# Altium PCB WaveformGen.PcbDoc (continued)
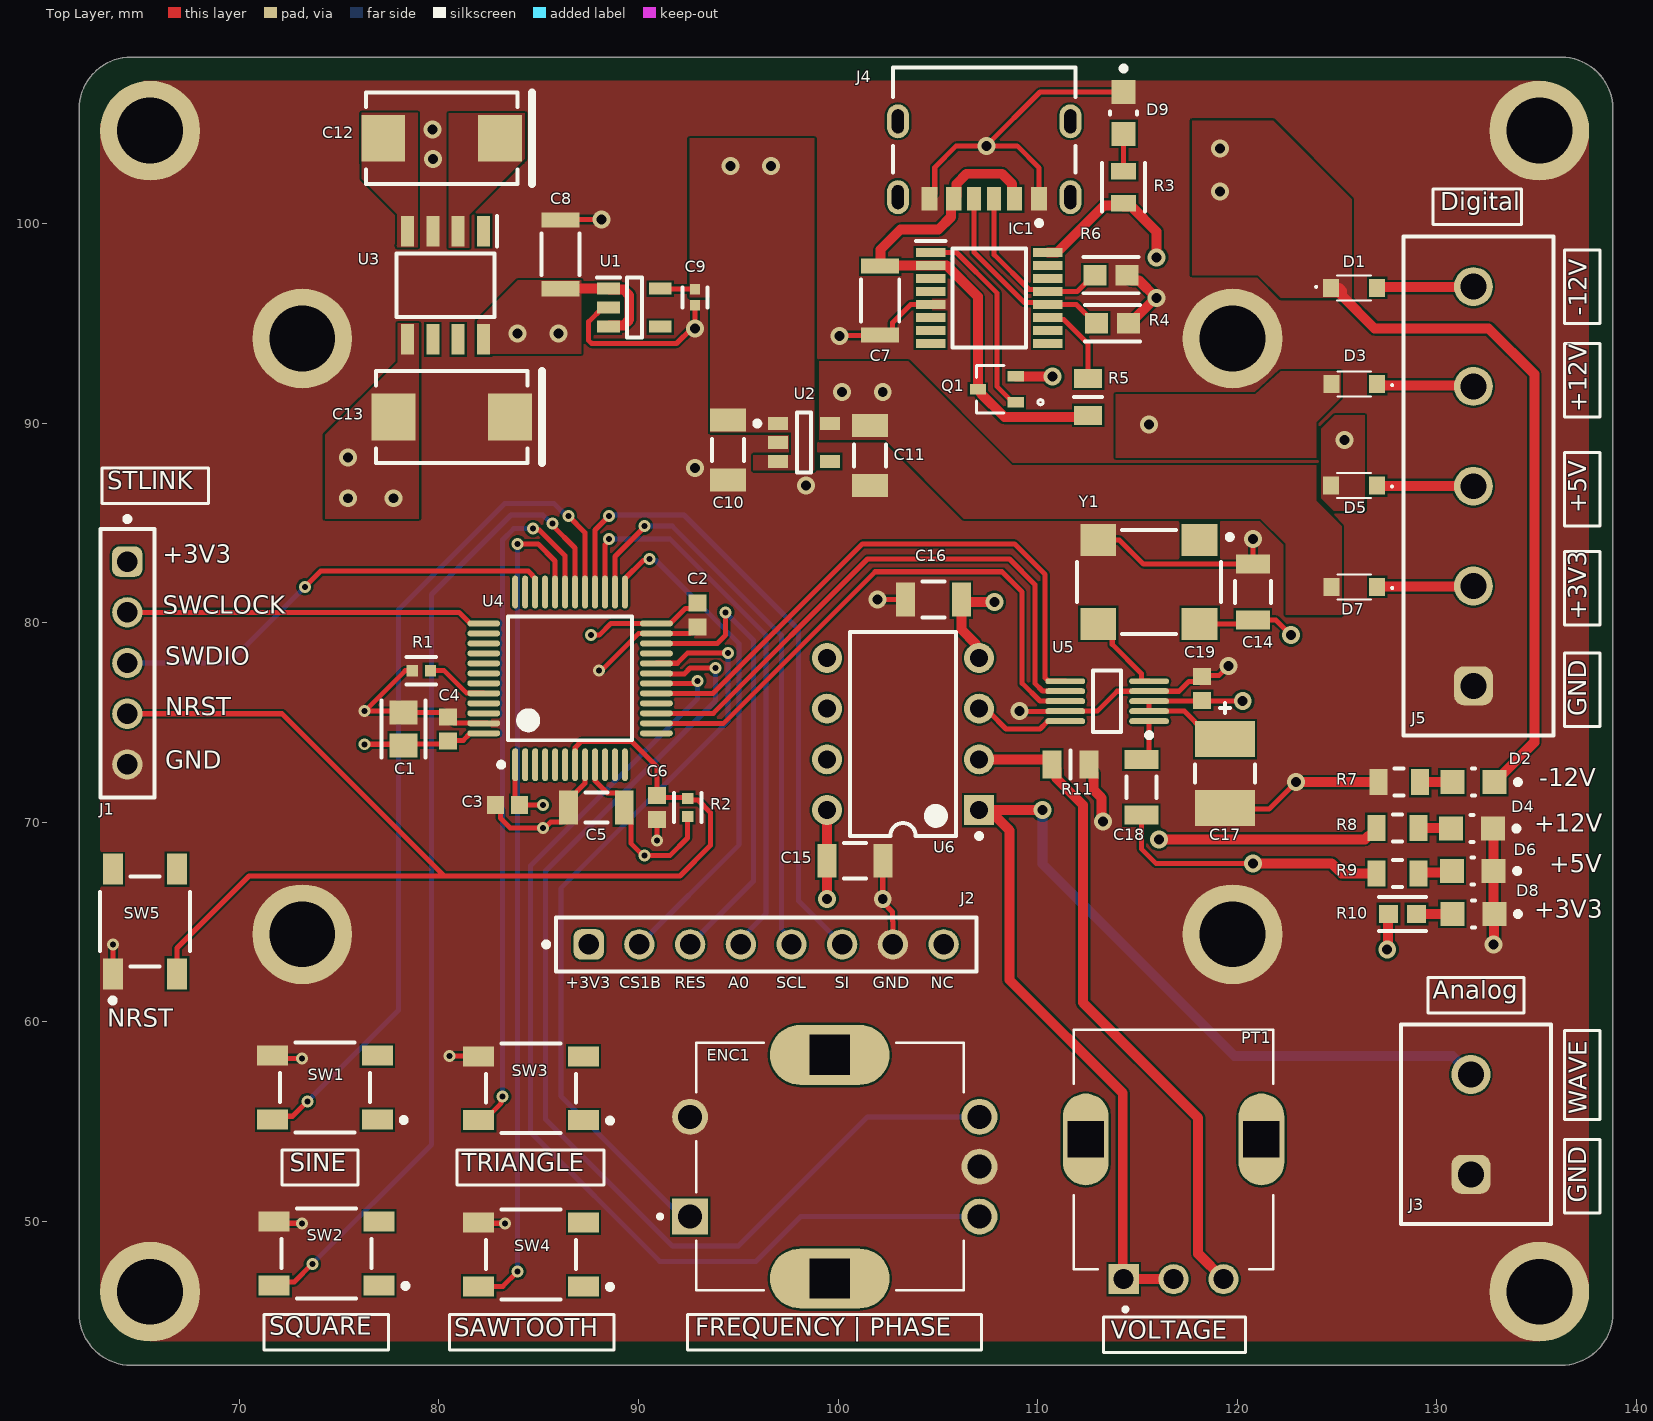
[diagram p0: Top Layer view]
## Footprints (in the part's own frame and the unit in brackets; to place one, negate y for a bottom-side part, rotate by r counter-clockwise, add the part's x,y. Pads: shape width x height; smd on the part's side, far side on the other; paste and mask are expansions set on the pad)
1SS357TPH3F [mm]
  rect 0.9x0.8 smd: 1(0,-1.15) 2(0,1.15)
  silkscreen extent -0.63,-1.95 0.63,0.85, body extent -0.63,-1.25 0.63,1.25, height 0.9
61300511821 [mm] "Socket Header, Pitch 2.54 mm, THT, Vertical, single row, 5p"
  rrect50% 1.52x1.52 hole 1.02: 1(-5.08,0)
  round 1.52 hole 1.02: 2(-2.54,0) 3(0,0) 4(2.54,0) 5(5.08,0)
  silkscreen extent -7.33,-1.35 6.73,1.35, body extent -6.6,-1.25 6.6,1.25, height 8.55
61300811821 [mm] "Socket Header, Pitch 2.54 mm, THT, Vertical, single row, 8p"
  rrect50% 1.52x1.52 hole 1.02: 1(-8.89,0)
  round 1.52 hole 1.02: 2(-6.35,0) 3(-3.81,0) 4(-1.27,0) 5(1.27,0) 6(3.81,0) 7(6.35,0) 8(8.89,0)
  silkscreen extent -11.14,-1.35 10.54,1.35, body extent -10.41,-1.25 10.41,1.25, height 8.55
691137710002 [mm] "Horizontal Cable Entry with Pressure Clamp, pitch 5mm, 02p"
  rrect50% 1.95x1.95 hole 1.3: 1(-2.5,0.25)
  round 1.95 hole 1.3: 2(2.5,0.25)
  silkscreen extent -5,-3.75 5,3.75, body extent -5,-3.75 5,3.75, height 11.6
691137710005 [mm] "Horizontal Cable Entry with Pressure Clamp, pitch 5mm, 05p"
  rrect50% 1.95x1.95 hole 1.3: 1(-10,0.25)
  round 1.95 hole 1.3: 2(-5,0.25) 3(0,0.25) 4(5,0.25) 5(10,0.25)
  silkscreen extent -12.5,-3.75 12.5,3.75, body extent -12.5,-3.75 12.5,3.75, height 11.6
ADI-RM-10_M [mm] "TSSOP, 10-Leads, Body 3x3mm, Pitch 0.5mm, IPC Low Density"
  oval 2x0.3 smd: 1(-2.1,1) 2(-2.1,0.5) 3(-2.1,0) 4(-2.1,-0.5) 5(-2.1,-1) 6(2.1,-1) 7(2.1,-0.5) 8(2.1,0) 9(2.1,0.5) 10(2.1,1)
  silkscreen extent -2.22,-1.55 0.7,1.82, body extent -1.55,-1.55 1.55,1.55, height 1.1
CAPC1206(3216)130_N [mm] "Chip Capacitor, Body 3.2x1.6mm, Height 1.3mm, IPC Medium Density"
  rect 1.15x1.8 smd: 1(-1.5,0) 2(1.5,0)
  silkscreen extent -0.55,-0.8 0.55,0.8, body extent -1.7,-0.9 1.7,0.9, height 1.3
CAPC1206(3216)150_L [mm] "Chip Capacitor, Body 3.2x1.6mm, Height 1.5mm, IPC High Density"
  rect 0.95x1.7 smd: 1(-1.4,0) 2(1.4,0)
  silkscreen extent -0.55,-0.75 0.55,0.75, body extent -1.7,-0.9 1.7,0.9, height 1.5
CAPC1608X87X45LL20T05 [mm] "Chip Capacitor, 2-Leads, Body 1.60x0.80mm, IPC High Density"
  rect 0.85x0.9 smd: 1(-0.6,0) 2(0.6,0)
  body extent -0.9,-0.5 0.9,0.5, height 0.87
FP-293DB-MFG [mm]
  rect 1.8x3 smd paste+0 mask+0: 1(-1.725,0) 2(1.725,0)
  silkscreen extent -0.45,-1.5 3.52,1.5, body extent -2.73,-1.6 2.73,1.6, height 0.25
FP-217175-0001-MFG [mm]
  rrect100% 1.1x1.7 hole 1.2 slot 0.6 at 0 deg paste-2539.97 mask+0: 1(-4.32,2.95) 2(4.32,2.95) 3(-4.32,-0.85) 4(4.32,-0.85)
  rect 0.7x1.2 smd paste+0 mask+0: A5(-0.5,3.03) B5(0.5,3.03)
  rect 0.76x1.2 smd paste+0 mask+0: A9(1.52,3.03) B9(-1.52,3.03)
  rect 0.8x1.2 smd paste+0 mask+0: A12(2.75,3.03) B12(-2.75,3.03)
  silkscreen extent -4.57,-3.55 4.57,4.37, body extent -4.97,-3.65 4.97,3.9, height 0.25
FP-AT0805-IPC_C [mm]
  rect 0.808x1.262 smd paste+0 mask+0: 1(-0.802,0) 2(0.802,0)
  silkscreen extent -1.21,-1.07 1.21,1.07, body extent -1.31,-0.77 1.31,0.77, height 0.25
FP-C0402-BB-MFG [mm]
  rect 0.52x0.52 smd paste+0 mask+0: 1(-0.4,0) 2(0.4,0)
  silkscreen extent -0.5,-0.64 0.5,0.64, body extent -0.8,-0.4 0.8,0.4, height 0.25
FP-C1206C-EB-MFG [mm]
  rect 0.95x1.7 smd paste+0 mask+0: 1(-1.4,0) 2(1.4,0)
  silkscreen extent -0.55,-0.9 0.55,0.9, body extent -2,-1 2,1, height 0.25
FP-CGA5L-0_3-0_1-IPC_B [mm]
  rect 0.756x1.906 smd paste+0 mask+0: 1(-1.725,0) 2(1.725,0)
  silkscreen extent -1.05,-0.95 1.05,0.95, body extent -2.35,-1.2 2.35,1.2, height 0.25
FP-GRM219-0_15-0_1-IPC_B [mm]
  rect 1.206x1.408 smd paste+0 mask+0: 1(-0.826,0) 2(0.826,0)
  silkscreen extent -1.43,-1.1 1.43,1.1, body extent -1.68,-0.95 1.68,0.95, height 0.25
FP-LTST-C170GKT-MFG [mm]
  rect 1.2x1.2 smd paste+0 mask+0: 1(-1.05,0) 2(1.05,0)
  silkscreen extent -2.35,-0.67 0.08,0.67, body extent -1.75,-0.77 1.75,0.77, height 0.25
FP-MCU0805-IPC_B [mm]
  rect 0.959x1.408 smd paste+0 mask+0: 1(-0.927,0) 2(0.927,0)
  silkscreen extent 0,-0.7 0,0.7, body extent -1.66,-0.95 1.66,0.95, height 0.25
FP-PTS647SK38SMTR2LFS-MFG [mm]
  rect 1.55x1 smd paste+0 mask+0: 1(-2.625,1.6) 2(2.625,1.6) 3(-2.625,-1.6) 4(2.625,-1.6)
  silkscreen extent -4.08,-2.25 2.25,2.25, body extent -3.5,-2.35 3.5,2.35, height 0.25
FP-RMCF0805-MFG [mm]
  rect 0.9x1.3 smd paste+0 mask+0: 1(-1.05,0) 2(1.05,0)
  silkscreen extent -0.23,-0.67 0.23,0.67, body extent -1.6,-0.77 1.6,0.77, height 0.25
FP-SOT23-5LD-PL-1-MFG [mm]
  rect 1x0.66 smd paste+0 mask+0: 1(-1.3,0.95) 2(-1.3,0) 3(-1.3,-0.95) 4(1.3,-0.95) 5(1.3,0.95)
  silkscreen extent -2.47,-1.5 0.35,1.5, body extent -1.9,-1.6 1.9,1.6, height 0.25
FP-TFCR0402-IPC_B [mm]
  rect 0.565x0.572 smd paste+0 mask+0: 1(-0.454,0) 2(0.454,0)
  silkscreen extent -0.74,-0.69 0.74,0.69, body extent -0.89,-0.44 0.89,0.44, height 0.25
FP-TFCR0603-IPC_A [mm]
  rect 1.158x1.012 smd paste+0 mask+0: 1(-0.802,0) 2(0.802,0)
  silkscreen extent -1.38,-0.91 1.38,0.91, body extent -1.88,-1.01 1.88,1.01, height 0.25
FP-TFCR0603-IPC_B [mm]
  rect 0.958x0.912 smd paste+0 mask+0: 1(-0.702,0) 2(0.702,0)
  silkscreen extent -1.18,-0.86 1.18,0.86, body extent -1.43,-0.71 1.43,0.71, height 0.25
P0008A [mm] "DIP, 8-Leads, Body 10.15x6.6mm, Pitch 2.54mm"
  rect 1.5x1.5 hole 0.9: 1(-3.81,3.81)
  round 1.5 hole 0.9: 2(-3.81,1.27) 3(-3.81,-1.27) 4(-3.81,-3.81) 5(3.81,-3.81) 6(3.81,-1.27) 7(3.81,1.27) 8(3.81,3.81)
  silkscreen extent -3.94,-5.1 2.65,5.23, body extent -3.95,-5.07 3.95,5.07, height 5.08
SOIC127P600X175-8N [mm]
  rect 1.525x0.65 smd: 1(-2.712,1.905) 2(-2.712,0.635) 3(-2.712,-0.635) 4(-2.712,-1.905) 5(2.712,-1.905) 6(2.712,-0.635) 7(2.712,0.635) 8(2.712,1.905)
  silkscreen extent -3.47,-2.45 1.6,2.58, body extent -3,-2.45 3,2.45, height 1.75
SOP65P640X120-16N [mm]
  rect 1.475x0.45 smd: 1(-2.938,2.275) 2(-2.938,1.625) 3(-2.938,0.975) 4(-2.938,0.325) 5(-2.938,-0.325) 6(-2.938,-0.975) 7(-2.938,-1.625) 8(-2.938,-2.275) 9(2.938,-2.275) 10(2.938,-1.625) 11(2.938,-0.975) 12(2.938,-0.325) 13(2.938,0.325) 14(2.938,0.975) 15(2.938,1.625) 16(2.938,2.275)
  silkscreen extent -3.67,-2.48 1.85,2.85, body extent -3.2,-2.48 3.2,2.48, height 1.2
SOT95P285X140-5N [mm]
  rect 1.15x0.6 smd: 1(-1.3,0.95) 2(-1.3,0) 3(-1.3,-0.95) 4(1.3,-0.95) 5(1.3,0.95)
  silkscreen extent -1.88,-1.5 0.38,1.5, body extent -1.43,-1.5 1.43,1.5, height 1.4
SOT-323F_2-2U1S_UFM_TOS [mil]
  rect 32x20 smd paste+0 mask+0: 1(-37.4,25.59) 2(-37.4,-25.59) 3(37.4,0)
  silkscreen extent -91,-46 41,47, body extent -36,-41 36,41, height 30
STM-LQFP48_M [mm] "QFP, 48-Leads, Body 7x7mm, Pitch 0.5mm, IPC Low Density"
  oval 1.65x0.3 smd: 1(-4.325,2.75) 2(-4.325,2.25) 3(-4.325,1.75) 4(-4.325,1.25) 5(-4.325,0.75) 6(-4.325,0.25) 7(-4.325,-0.25) 8(-4.325,-0.75) 9(-4.325,-1.25) 10(-4.325,-1.75) 11(-4.325,-2.25) 12(-4.325,-2.75) 25(4.325,-2.75) 26(4.325,-2.25) 27(4.325,-1.75) 28(4.325,-1.25) 29(4.325,-0.75) 30(4.325,-0.25) 31(4.325,0.25) 32(4.325,0.75) 33(4.325,1.25) 34(4.325,1.75) 35(4.325,2.25) 36(4.325,2.75)
  oval 0.3x1.65 smd: 13(-2.75,-4.325) 14(-2.25,-4.325) 15(-1.75,-4.325) 16(-1.25,-4.325) 17(-0.75,-4.325) 18(-0.25,-4.325) 19(0.25,-4.325) 20(0.75,-4.325) 21(1.25,-4.325) 22(1.75,-4.325) 23(2.25,-4.325) 24(2.75,-4.325) 37(2.75,4.325) 38(2.25,4.325) 39(1.75,4.325) 40(1.25,4.325) 41(0.75,4.325) 42(0.25,4.325) 43(-0.25,4.325) 44(-0.75,4.325) 45(-1.25,4.325) 46(-1.75,4.325) 47(-2.25,4.325) 48(-2.75,4.325)
  silkscreen extent -4.45,-3.1 3.1,3.57, body extent -3.5,-3.5 3.5,3.5, height 1.6
TRIM_PT01-D130K2-B203 [mm]
  rect 1.508x1.508 / inner round 1.508 / far side rect 1.508x1.508 hole 1: 1(-2.5,-7)
  round 1.508 hole 1: 2(0,-7) 3(2.5,-7)
  oval 2.3x4.6 hole 1.8 square: S1(-4.4,0) S2(4.4,0)
  silkscreen extent -5,-8.61 5,5.5
VISH-293D-E_L [mm] "Molded Capacitor, 2-Leads, Body 7.6x4.6mm, IPC High Density"
  rect 2.2x2.35 smd: 1(-2.925,0) 2(2.925,0)
  silkscreen extent -4.52,-2.3 3.8,2.3, body extent -4.02,-2.3 4.02,2.3, height 4.3
WE-SPXO_CFPS-72 [mm] "Simple Packaged Quartz Oscillator, body 7.2x5.2mm"
  rect 1.8x1.6 smd: 1(-2.54,-2.1) 2(2.54,-2.1) 3(2.54,2.1) 4(-2.54,2.1)
  silkscreen extent -4.18,-2.6 3.6,2.6, body extent -3.6,-2.6 3.6,2.6, height 1.35
XDCR_PEC12R-4225F-S0024 [mm]
  rect 1.8x1.8 / inner round 1.8 / far side rect 1.8x1.8 hole 1.2: 1(-2.5,7)
  round 1.8 hole 1.2: 2(2.5,7) A(-2.5,-7.5) B(2.5,-7.5) C(0,-7.5)
  oval 3x6 hole 2 square: SH1(-5.6,0) SH2(5.6,0)
  silkscreen extent -6.2,-6.7 6.2,8.6, body extent -7,-7.7 7,7.2, height 25

## Part data
C1: library part CMP-06035-028467-1, "Chip Multilayer Ceramic Capacitors for General Purpose, 0805, 4.7uF, X5R, 15%, 20%, 25V"
C2 C3 C4 C6: library part CMP-2006-00001-1, "Ceramic 100nF X7R 16V 5%", Manufacturer=Kemet, Part Number=C0603X104J4RACTU
C5 C18: library part CMP-1037-03452-1, "CAP 10nF 10V ±5% 1206 (3216 Metric) Thickness 1.45mm SMD", Case-EIA=1206, Case-Metric=3216, Rated Voltage="10 V", Tolerance=Â±5%, Max Thickness="1.45 mm", Technology=SMT
C7 C8: library part CMP-08246-000049-1, "Cap Ceramic 1uF 25V X7R 20% Pad SMD 1206 +125°C Automotive T/R", Case Code (Imperial)=1206, Case Code (Metric)=3216, Dielectric=X7R, Max Operating Temperature=125°C, Min Operating Temperature=-55°C, Package Quantity=2000, Ratings=AEC-Q200, Tolerance=20%, Voltage Rating=25V, Capacitance=1uF, Case/Package=1206, Height=1.6mm, Length=0.126inch, Mount="Surface Mount", Packaging="Tape and Reel", Thickness=0.063inch, Voltage Rating (DC)=25V, Weight=0.000571oz, Width=1.6mm
C9: library part CMP-1034-01660-3, "C0402", Capacitance="1,300 pF", Manufacturer=Kemet, Manufacturer Part Number=C0402C132K8GACTU, Package=C0402-BB, Temperature="-55°C to +125°C", Temperature Characteristic=C0G, Temperature Range High=+125°C, Temperature Range Low=-55°C, Tolerance=0.1, Voltage Rating="10 V", Automotive=No, Category=Cap, ComponentLink2Description=Datasheet, ComponentLink2URL=https://content.kemet.com/datasheets/KEM_C1002_X7R_SMD.pdf, Device Class L1="Passive Components", Device Class L2=Capacitors, Device Class L3="Ceramic Capacitors", Height=0.55mm, Ipc Land Pattern Name=CAPC10050X50, Lead Free=Yes, Material=Ceramic, Mouser Description="Cap, 1300PF, 10V, Mlcc, 0402", Octopart=https://octopart.com/c0402c132k8gactu-kemet-56745629, RoHS=TRUE
C10 C11: library part CMP-1037-04671-1, "CAP 1uF 10V ±5% 1206 (3216 Metric) Thickness 1.3mm SMD", Case-EIA=1206, Case-Metric=3216, Rated Voltage="10 V", Tolerance=Â±5%, Max Thickness="1.3 mm", Technology=SMT
C12 C13: library part CMP-2000-05556-1, "Tantalum Capacitor, 10 uF, +/- 10%, 50 V, -55 to 125 degC, 2-Pin SMD (7343-43), RoHS, Tape and Reel", Capacitance=10000000pF, Case Code=E, Case Style=Molded, Manufacturer=Vishay, Operating Temp Range=-55Cto125C, Package / Case=7343-43, Package Description="2-Pin Surface Mount Device, Body 7.3 x 4.3 mm", Package Reference=293D-E, Tolerance (+ or -)=10%, Voltage=50VDC, Construction=SMTChip, Datasheet URL=http://www.vishay.com/docs/40002/293d.pdf, Datasheet Version=08/2016, DCL=5uA, DELETED=Compliant, DF=6%, ESR=0.8ohm, Failure Rate=NotRequired, Insulation=NotRequired, Lead Spacing (nom)=NotRequiredmm, Length W/Weld=NotRequiredmm, Length W/Weld (max)=NotRequiredmm, Manufacturer URL=http://www.vishay.com/, Mounting Style=SurfaceMount, Mounting Technology=SurfaceMount, Packaging=TapeandReel, Polarity=Polar, Product Depth (mm)=4.3mm, Product Diameter (mm)=NotRequiredmm, Product Height (mm)=4mm, Product Length (mm)=7.3mm, Rad Hardened=No, Seal=NotRequired, Seated Plane Height=NotRequiredmm, Wire Form=NotRequired
C14 C15 C16: library part CMP-03020-014955-1, "C1206 0.10 μF C0G 10.00% 25 V X7R", Capacitance="0.10 μF", Manufacturer=KEMET, Manufacturer Part Number=C1206C104K3GACTU, Package=C1206C-EB, Temperature="-55°C to +150°C", Temperature Characteristic=C0G, Temperature Coefficient=15%, Temperature Range High=+150°C, Temperature Range Low=-55°C, Tolerance=0.1, Voltage Rating="25 V", Automotive=Yes, Automotive Grade="Grade 0", Category=Cap, ComponentLink2Description=Datasheet, ComponentLink2URL=https://content.kemet.com/datasheets/KEM_C1007_X8R_ULTRA_150C_SMD.pdf, Device Class L1="Passive Components", Device Class L2=Capacitors, Device Class L3="Ceramic Capacitors", Height=0.88mm, Ipc Land Pattern Name=CAPC320160X78, Lead Free=Yes, Material=Ceramic, Mouser Description="Multilayer Ceramic Capacitors MLCC - SMD/SMT 25volt 0.1uF 10% C0G", Octopart=https://octopart.com/c1206c104k3gactu-kemet-12901041, RoHS=TRUE
C17: library part CMP-02414-000008-1, "CAP TANT 10UF 10% 20V 1411", Capacitance=10uF, Case Code (Imperial)=1411, Case Code (Metric)=3528, Dielectric Material=Tantalum, ESR (Equivalent Series Resistance)=2.1R, Leakage Current=2uA, Max Operating Temperature=125°C, Min Operating Temperature=-55°C, Package Quantity=1, Ripple Current=200mA, Tolerance=10%, Voltage=20V, Case/Package=1411, Construction=Flat, Depth=2.8mm, Dissipation Factor=6%, Features="General Purpose", Height=1.9mm, Height - Seated (Max)=0.083inch, Lead Free="Lead Free", Length=3.5mm, Mount="Surface Mount", Packaging="Tape and Reel", Polarity=Polar, Q Factor=6, Radiation Hardening=No, RoHS Compliant=Yes, Series="TANTAMOUNT® 293D", Termination=SMD/SMT, Voltage Rating=20V, Voltage Rating (DC)=20V, Width=0.11inch
C19: library part CMP-2006-00001-1, "Ceramic 100nF X7R 16V 5% 1206", Manufacturer=Kemet, Part Number=C0603X104J4RACTU
D1 D3 D5 D7: library part CUS10S30,H3F, "Schottky Diode", Manufacturer_Name=Toshiba, Mouser Part Number=757-CUS10S30H3F, Arrow Part Number=CUS10S30,H3F, Arrow Price/Stock=https://www.arrow.com/en/products/cus10s30h3f/toshiba?utm_currency=USD&region=nac, Datasheet Link=http://toshiba.semicon-storage.com/info/docget.jsp?did=14077&prodName=CUS10S30, Height=1mm, Manufacturer_Part_Number=CUS10S30,H3F, Mouser Price/Stock=https://www.mouser.co.uk/ProductDetail/Toshiba/CUS10S30H3F?qs=cW4DzVrAanO4Xm6ySrHr7g%3D%3D
D2 D4 D6 D8 D9: library part CMP-1674-00002-6, "LED GREEN CLEAR SMD", Case Code (Imperial)=0805, Case Code (Metric)=2012, Color=Green, Forward Current=30mA, Forward Voltage=2.1V, Lens Color=Colorless, Max Operating Temperature=85°C, Min Operating Temperature=-55°C, Package Quantity=1, Power Dissipation=100mW, Reverse Voltage=5V, Test Current=10mA, Case/Package=0805, Depth=1.25mm, Dominant Wavelength=569nm, Height=1.1mm, Illumination Color=Green, Lead Free="Lead Free", Length=2mm, Lens Style=Diffused, Lens Transparency=Clear, Luminous Intensity=6mcd, Mount="Surface Mount", Number of Elements=1, Number of LEDs=1, Number of Pins=2, Packaging="Tape and Reel", Power Rating=100mW, Radiation Hardening=No, Viewing Angle=130°, Voltage=5V, Wavelength=565nm, Width=1.25mm
ENC1: "24 Pulse Incremental Mechanical Rotary Encoder w/ 6 mm Flat Shaft,Through Hole", Package=None, Check_prices=https://www.snapeda.com/parts/PEC12R-4225F-S0024/Bourns/view-part/?ref=eda, MF=Bourns, MP=PEC12R-4225F-S0024, SnapEDA_Link=https://www.snapeda.com/parts/PEC12R-4225F-S0024/Bourns/view-part/?ref=snap
IC1: library part IP2721, "Integrated Circuit", Manufacturer_Name=INJOINIC, Datasheet Link=https://datasheet.lcsc.com/szlcsc/2006111335_INJOINIC-IP2721_C603176.pdf, Height=1.2mm, Manufacturer_Part_Number=IP2721
J1: library part CMP-1502-01320-3, Contact Resistance=20mΩ, Current Rating=3A, Operating Supply Voltage=250V, Gender=Female, Lead Pitch=2.54mm, NexarPartId=61924716, Number of Pins=5, Orientation=Vertical, RoHS=Non-Compliant
J2: library part CMP-1502-01327-3, Contact Resistance=20mΩ, Current Rating=3A, Operating Supply Voltage=250V, Gender=Female, Lead Pitch=2.54mm, NexarPartId=61924723, Number of Pins=8, Orientation=Vertical, RoHS=Non-Compliant
J3: library part CMP-1502-03324-2, Current Rating=16A, Max Operating Temperature=120°C, Min Operating Temperature=-30°C, Voltage Rating=300V, Contact Material="Nickel, Tin", Height=11.6mm, Lead Pitch=5mm, NexarPartId=78871135, Number of Contacts=2, Number of Pins=2, Number of Rows=1, Packaging=Box, RoHS=Non-Compliant
J4: library part CMP-04767-000026-1, "CONN RCP USB2.0 C 6+18P SMD RA"
J5: library part CMP-1502-03327-2, Lead Pitch=5mm, NexarPartId=78871141, Number of Pins=5, Packaging=Box, RoHS=Non-Compliant
PT1: Package=None, Availability=Unavailable, MP=PT01-D130K2-B203, Price=None
Q1: library part SSM3K341TU,LF, "N-ch MOSFET, 60 V, 6.0 A, 0.036 Î©@10V, SOT-323F(UFM)", Manufacturer_Name="Toshiba Electronic Devices & Storage Corp.", Copyright="Copyright (C) 2025 Ultra Librarian. All rights reserved.", Datasheet=https://toshiba.semicon-storage.com/info/docget.jsp?did=56016&prodName=SSM3K341TU, Manufacturer_Part_Number=SSM3K341TU,LF
R1 R2: library part CMP-250906-167145-1, "RES Thin Film,  10kΩ, 0.1%, 0.063W, 50ppm/°C, 0402"
R3: library part CMP-03412-048709-1, "Thin Film Chip Resistors Automotive Grade 10kΩ 0.1% 50ppm/°C 0805"
R4 R6: library part CMP-250906-167103-1, "RES Thin Film,  5.1kΩ, 0.25%, 0.1W, 25ppm/°C, 0603"
R5: library part CMP-02407-004057-1, "0805"
R7 R8: library part CMP-26527-002688-1, "6.8kΩ ±5% 0.125W 0805 Thick Film Chip Resistor AEC-Q200 compliant", Case Code (Imperial)=0805, Case Code (Metric)=2012, Max Operating Temperature=155°C, Max Power Dissipation=125mW, Min Operating Temperature=-55°C, Resistance=6.8kR, Resistor Type="Thick Film", Temperature Coefficient=200ppm/°C, Tolerance=5%, Case/Package=0805, Construction=Rectangular, Contact Plating=Tin, Depth=1.25mm, Features="Automotive AEC-Q200", Height=0.026inch, Lead Free="Lead Free", Length=0.079inch, Military Standard=Not, Mount="Surface Mount", Number of Terminations=2, Packaging="Tape and Reel", Power Rating=125mW, Radiation Hardening=No, RoHS Compliant=Yes, Series=RMCF, Size Code=0805, Width=0.049inch
R9: library part CMP-26527-002688-1, "0805 250 Ohms 0.25W", Case Code (Imperial)=0805, Case Code (Metric)=2012, Max Operating Temperature=155°C, Max Power Dissipation=125mW, Min Operating Temperature=-55°C, Resistance=6.8kR, Resistor Type="Thick Film", Temperature Coefficient=200ppm/°C, Tolerance=5%, Case/Package=0805, Construction=Rectangular, Contact Plating=Tin, Depth=1.25mm, Features="Automotive AEC-Q200", Height=0.026inch, Lead Free="Lead Free", Length=0.079inch, Military Standard=Not, Mount="Surface Mount", Number of Terminations=2, Packaging="Tape and Reel", Power Rating=125mW, Radiation Hardening=No, RoHS Compliant=Yes, Series=RMCF, Size Code=0805, Width=0.049inch
R10: library part CMP-250906-226900-1, "RES Thin Film,  620Ω, 0.25%, 0.1W, 25ppm/°C, 0603"
R11: library part CMP-02407-004057-1, "RES 1.05K OHM 0.5% 1/5W 0805"
SW1 SW2 SW3 SW4 SW5: library part CMP-10040-000033-1, "TACT 4.5 X 4.5, 3.8 MM H, 2.5N,", Max Operating Temperature=70°C, Min Operating Temperature=-20°C, Operating Force=250gf, Ratings=IP40, Actuator Type=Standard, Illumination Type=Non-Illuminated, Mechanical Life=100000Cycles, Mount="Surface Mount", Packaging="Tape and Reel", Switch Function=Off-Mom, Switch Travel=0.25mm, Termination="Gull Wing", Throw Configuration=SPST
U1: "Integrated Circuit", Manufacturer_Name="Diodes Incorporated", Mouser Part Number=621-AP2205-50W5-7, Arrow Part Number=AP2205-50W5-7, Arrow Price/Stock=https://www.arrow.com/en/products/ap2205-50w5-7/diodes-incorporated?region=europe, Datasheet Link=https://www.diodes.com//assets/Datasheets/AP2205.pdf, Height=1.4mm, Manufacturer_Part_Number=AP2205-50W5-7, Mouser Price/Stock=https://www.mouser.co.uk/ProductDetail/Diodes-Incorporated/AP2205-50W5-7?qs=EBDBlbfErPynTgfSbFnU%252BQ%3D%3D
U2: library part CMP-06324-000116-1, "IC REG LINEAR 3.3V 150MA SOT23-5", Case/Package=SOT-23-5, Dropout Voltage=155mV, Max Input Voltage=6V, Max Operating Temperature=125°C, Min Current Limit=200mA, Min Input Voltage=2.5V, Min Operating Temperature=-40°C, Output Current=150mA, Output Voltage=3.3V, Package Quantity=3000, Power Supply Rejection Ratio (PSRR)=70dB, Mount="Surface Mount", Number of Outputs=1, Number of Regulators=1, Packaging="Tape and Reel", RoHS Compliant=No, Series=-
U3: "Integrated Circuit", Manufacturer_Name="Analog Devices", Mouser Part Number=700-ICL7662CBAT, Arrow Part Number=ICL7662CBA+T, Arrow Price/Stock=https://www.arrow.com/en/products/icl7662cbat/analog-devices?region=nac, Datasheet Link=https://datasheet.datasheetarchive.com/originals/dk/DKDS-7/135327.pdf, Height=1.75mm, Manufacturer_Part_Number=ICL7662CBA+T, Mouser Price/Stock=https://www.mouser.co.uk/ProductDetail/Analog-Devices-Maxim-Integrated/ICL7662CBA%2bT?qs=Mqkh4jHMT8yEwIZBI%252Brh9g%3D%3D
U4: library part CMP-0304-00064-2, "ARM Cortex-M0 32-bit MCU, 64 KB Flash, 8 KB Internal RAM, 39 I/Os, 48-Pin LQFP, -40 to 85 degC, Tape and Reel", I/Os (High Current)=39, Manufacturer=STMicroelectronics, Operating Frequency(F) (Processor speed) (MHz)=48, Package Description="48-Pin Low Profile Quad Flat Package, Body 7 x 7 mm, Pitch 0.5 mm", Package Reference=LQFP48, PartNumber=STM32F030C8T6TR, Supply Voltage(Vcc) min (V)=2.4, ComponentLink1Description="Manufacturer URL", ComponentLink1URL=http://www.st.com/, ComponentLink2Description=Datasheet, ComponentLink2URL=http://www.st.com/st-web-ui/static/active/en/resource/technical/document/datasheet/DM00088500.pdf, Core="ARM Cortex-M0", DatasheetVersion="Rev. 2", FLASH Size (Prog) (kB)=64, Internal RAM Size (kB)=8, Mounting Technology="Surface Mount", Packing="Tape and Reel"
U5: library part CMP-0293-00077-1, "Low Power, 12.65 mW, 2.3 V to 5.5 V, Programmable Waveform Generator, 10-Bit, Serial, RM-10, 50 Tube, Pb-Free", Code_JEDEC=MO-187-BA, Compliance Range (V)=650mV, ComponentLink1Description="Manufacturer URL", ComponentLink1URL=www.analog.com, ComponentLink2Description=Datasheet, ComponentLink2URL=http://www.analog.com/static/imported-files/data_sheets/AD9833.pdf, ComponentLink3Description="Package Specification", ComponentLink3URL=http://www.analog.com/static/imported-files/packages/PKG_PDF/MSOP%28RM%29/RM_10.pdf, DatasheetVersion="Rev. D", FS Iout (mA nom)=3mA, I Supply total (max)=5.5mA, I/O Interface=Serial, Master fclk=25MHz, PackageDescription="10-Lead Mini Small Outline Package [MSOP]", PackageReference=RM-10, PackageVersion=5/8/2005, REFCLK Multiplier=No, Resolution (Bits)=10bit, Tuning Word Width (bits)=28bit
U6: library part CMP-2000-06549-1, "Dual Operational Amplifier, 3 to 32 V, 0 to 70 degC, 8-Pin PDIP (P), RoHS, Tape and Reel", Manufacturer="Technik Industrial", Package Description="8-Pin Double In-line Package, Body 9.59 x 6.35 mm, Pitch 2.54 mm", Package Reference=P8, Datasheet URL=http://www.ti.com/lit/ds/symlink/lm358.pdf, Datasheet Version="Rev. T, 04/2015", Manufacturer URL=http://www.technik.com.hk/, Mounting Technology=ThroughHole, Package URL=http://www.ti.com/lit/ml/mpdi001b/mpdi001b.pdf
Y1: library part CMP-03913-116855899-1, "831019082 WE-SPXO Crystal Oscillator", Frequency=24MHz, Max Operating Temperature=70°C, Min Operating Temperature=0°C, Height=1.4mm, Length=7mm, NexarPartId=116855899, Width=5mm

## Free pads (board coordinates)
  round 5 hole 3.3: 4(65.532,46.482) 4(65.532,104.648) 4(73.152,64.389) 4(73.152,94.234) 4(119.761,64.389) 4(119.761,94.234) 4(135.128,46.482) 4(135.128,104.648)

## Via types
v1: diameter 0.9, hole 0.5, Top Layer to Bottom Layer, 40 vias
v2: diameter 0.6, hole 0.3, Top Layer to Bottom Layer, 30 vias

## Nets (pads, with @x,y where several pads share a name; then routed paths per layer and width w, separated by ;. In a path a pad name is that pad's centre, name@x,y a point inside that pad or via, vN(x,y) a via of type N, cw(c..) or ccw(c..) an arc to the next point about the centre after c; other vN are vias at no path point)
+3V3: C1.2 C2.2 C3.2 C4.2 C5.2 C11.2 D7.2 J1.1 J2.1 R2.1 R10.2 U2.5 U4.1 U4.9 U4.24 U4.48 | length 26.6
  Top Layer w0.254: v2(76.281,73.908) 78.173,73.908 C1.2 78.296,73.914 80.296,73.914 80.489,74.107 81.219,74.107 81.562,74.45 U4.48@82.403,74.45 ; U4.1 83.82,71.085 C3.2 v2(85.217,70.866) ; v2@87.757,79.375 88.026,79.375 88.61,79.959 U4.24 ; U4.9 87.829,72.875 87.829,72.064 88.431,71.462 88.936,71.462 89.284,71.114 C5.2 89.632,70.391 89.632,68.931 90.237,68.326 91.567,68.326 92.456,69.215 R2.1 ; U4.24@91.062,79.959 91.582,79.959 91.605,79.982 91.621,79.982 92.344,80.705 92.768,80.705 C2.2@92.899,80.836
  Top Layer w0.5: D7.2@124.707,81.738 D7.2 ; v1(127.508,63.627) 127.538,63.657 127.538,65.375 R10.2
  other v1: 100.203,91.567 102.235,91.567
  other v2: 90.297,68.326 87.63,79.375
+5V: C9.1 C10.2 C14.2 C17.2 C18.2 C19.2 D5.2 R9.2 U1.5 U2.1 U2.3 U5.2 U5.3 Y1.4 | length 29.8
  Top Layer w0.254: U1.5 91.11,96.715 92.81,96.715 C9.1 ; C10.2@93.853,90.019 C10.2@93.938,90.104 ; C18.2 115.189,68.673 115.917,67.945 v1(120.777,67.945) ; C19.2@117.983,76.108 117.94,76.065 U5.3 U5.2 117.348,75.565 117.88,75.033 117.88,75.015 118.653,74.242 C17.2@119.253,74.242 ; Y1.4 120.585,79.942 C14.2 121.923,80.134 v1(122.682,79.375) ; C19.2 118.272,76.073 v1(120.269,76.073)
  Top Layer w0.5: v1(120.777,67.945) 124.714,67.945 125.222,67.437 R9.2@126.725,67.437
  other v1: 125.36,89.143 94.615,102.87 96.647,102.87
+12V: C8.1 C15.1 D3.2 IC1.16 Q1.2 R3.2 R8.2 U1.1 U1.3 U3.8 U6.8 | length 31.7
  Top Layer w0.5: C8.1@86.1,96.749 86.107,96.742 88.483,96.742 U1.1 88.539,96.686 89.242,96.686 89.535,96.393 89.535,95.179 89.242,94.886 88.539,94.886 U1.3 ; C15.1@99.438,67.945 C15.1@99.44,67.947 ; C15.1 C15.1@99.44,68.07 ; v1@99.441,66.294 99.44,66.295 C15.1@99.44,67.947 ; U6.8 99.44,70.611 C15.1@99.44,68.07 ; Q1.2 108.904,92.34 110.733,92.34 v1(110.744,92.329) ; IC1.16 110.97,98.541 113.322,100.894 114.264,100.894 114.3,100.858 114.681,100.858 115.951,99.588 v1(115.951,98.298) ; v1(116.066,69.146) 126.389,69.146 126.566,69.323 126.766,69.323 126.966,69.523 R8.2 ; C15.1@99.44,67.947 C15.1@99.44,68.07
  other v1: 99.441,66.167 115.57,89.916 83.947,94.488 85.979,94.488
-12V: C13.2 C16.1 D1.1 D2.1 U3.5 U6.4 | length 37.9
  Top Layer w0.5: U6.4 106.87,78.423 106.87,78.962 106.175,79.657 C16.1 106.302,81.026 v1@107.696,81.026 ; D1.1@125.088,96.774 125.238,96.624 125.238,96.377 126.873,94.742 132.588,94.742 134.874,92.456 134.874,74.007 D2.1
  other v1: 107.823,81.026 75.438,86.233 77.724,86.233 75.438,88.265 119.126,101.6 119.126,103.759
CAP+: C12.1 U3.2
CAP-: C12.2 U3.4
CC1: IC1.13 J4.A5 R6.1 | length 9
  Top Layer w0.254: J4.A5 107.815,98.433 109.559,96.689 110.409,96.689 IC1.13 111.972,96.591 112.79,97.409 R6.1
CC2: IC1.12 J4.B5 R4.1 | length 10.9
  Top Layer w0.254: J4.B5 106.815,98.544 109.32,96.039 110.409,96.039 IC1.12 111.932,95.941 112.877,94.996 R4.1 ; R4.1@112.516,94.617 112.516,94.635 112.837,94.753 112.951,94.867 112.951,94.972 R4.1
ENC_CHA: ENC1.A U4.18 | length 54.3
  Top Layer w0.254: U4.18 92.74,76.959 92.87,77.089 v2(92.964,77.089)
  Bottom Layer w0.254: v2(92.964,77.089) 92.964,76.2 84.582,67.818 84.582,54.483 91.059,48.006 95.885,48.006 98.124,50.245 ENC1.A
ENC_CHB: ENC1.B U4.19 | length 56.3
  Top Layer w0.254: U4.19 91.582,77.459 91.61,77.431 92.29,77.431 92.583,77.724 v2(93.853,77.724)
  Bottom Layer w0.254: v2(93.853,77.724) 93.853,76.073 85.344,67.564 85.344,55.118 91.694,48.768 94.996,48.768 101.473,55.245 ENC1.B
ENC_SW: ENC1.1 U4.20 | length 38.6
  Top Layer w0.254: U4.20 90.904,77.968 91.943,77.968 92.461,78.486 94.467,78.486 v2(94.477,78.475)
  Bottom Layer w0.254: ENC1.1@92.568,49.824 86.106,56.286 86.106,66.692 94.477,75.063 v2(94.477,78.475)
FSYNC: U4.14 U5.8 | length 29
  Top Layer w0.254: U4.14 94.263,74.959 101.854,82.55 108.204,82.55 109.22,81.534 109.22,76.962 110.108,76.074 111.37,76.074 U5.8
GND: C1.1 C2.1 C3.1 C4.1 C5.1 C6.1 C7.2 C8.2 C9.2 C10.1 C11.1 C13.1 C14.1 C15.2 C16.2 C17.1 C19.1 D4.1 D6.1 D8.1 D9.1 ENC1.2 ENC1.C IC1.5 J1.5 J2.7 J3.1 J4.A12 J4.B12 J5.1 pad.4 R1.2 R4.2 R6.2 R7.1 R11.1 SW1.4 SW2.4 SW3.4 SW4.4 SW5.1 U1.2 U2.2 U3.3 U4.8 U4.23 U4.47 U5.4 U5.9 Y1.2 | length 113
  Top Layer w0.254: SW5.1@63.627,62.45 SW5.1 SW5.1 v2(63.679,63.886) ; SW1.4 71.804,58.166 v2(73.152,58.166) ; SW2.4 71.838,49.911 v2(73.152,49.911) ; R1.2 78.313,77.597 v2(76.281,75.565) 78.169,75.565 C1.1 80.212,75.502 80.746,74.968 80.92,74.968 U4.47@82.403,74.968 ; v2(80.518,58.293) 81.976,58.293 SW3.4 ; SW4.4 82.032,49.911 v2(83.312,49.911) ; C3.1 83.084,70.621 83.084,70.205 83.566,69.723 v2(85.217,69.723) 85.311,69.723 85.604,70.016 86.136,70.016 86.484,70.364 C5.1 86.484,71.114 87.32,71.95 U4.8 ; C8.2 86.113,100.19 88.125,100.19 v1(88.138,100.203) ; v2@88.138,77.597 89.991,79.45 90.886,79.45 U4.23 92.607,79.459 92.939,79.791 C2.1 ; U1.2 88.214,95.786 87.503,95.075 87.503,94.129 87.652,93.98 91.9,93.98 92.662,94.742 v1(92.837,94.742) 92.834,94.745 92.834,95.891 C9.2 ; v2(90.932,69.088) C6.1 ; C10.1@94.361,86.892 C10.1@94.625,86.892 ; v1(100.076,94.361) 100.102,94.387 102.082,94.387 C7.2 102.467,94.414 102.718,94.665 102.718,95.024 103.635,95.941 IC1.5 ; v1(101.981,81.153) C16.2 ; C15.2@102.238,67.945 102.235,67.942 102.235,65.992 102.722,65.505 102.722,65.045 102.743,65.024 J2.7 ; J4.A12 104.838,101.51 104.838,102.806 105.918,103.886 v1(107.442,103.886) ; v1@109.249,75.557 U5.9@111.371,75.557 ; J4.B12 110.065,102.787 108.966,103.886 v1(107.442,103.886) ; U5.9 112.983,75.565 113.983,76.565 U5.4 117.078,76.565 117.576,77.063 117.992,77.063 118.272,77.343 119.068,77.343 119.564,77.839 v1(119.567,77.839) ; Y1.2 114.087,84.142 115.298,82.931 120.777,82.931 v1(120.777,84.201) ; D9.1 110.116,106.587 107.442,103.913 v1(107.442,103.886) ; C17.1 119.433,70.665 121.592,70.665 v1(122.936,72.009)
  Top Layer w0.5: R11.1 112.56,72.673 112.789,72.444 112.789,71.632 113.197,71.224 113.197,70.116 v1(113.274,70.039) ; R6.2 114.723,97.153 115.064,97.153 v1(115.951,96.266) 115.897,96.266 114.627,94.996 R4.2 ; v1(122.936,72.009) R7.1 ; D4.1 132.838,69.645 132.838,65.443 D8.1 132.859,65.388 132.859,63.898 v1(132.842,63.881)
  other v1: 102.235,66.167 109.093,75.565 98.389,86.874 92.837,87.757 79.697,103.222 79.675,104.699
  other v2: 88.011,77.597
Inverting: PT1.3 R11.2 U6.2 | length 32.8
  Top Layer w0.5: U6.2@107.569,73.152 110.477,73.152 110.706,72.923 R11.2 ; R11.2@110.706,72.673 R11.2 ; PT1.3@119.3,47.117 118.037,48.38 118.037,55.191 112.268,60.96 112.268,70.866 110.936,72.198 110.936,72.669 R11.2
LCD_A0: J2.4 U4.27 | length 28.6
  Top Layer w0.254: U4.27 88.32,83.908 88.519,84.107 v2(88.519,84.201)
  Bottom Layer w0.254: v2(88.519,84.201) 91.567,84.201 96.393,79.375 96.393,65.425 95.123,64.155 J2.4
LCD_CS1B: J2.2 U4.25 | length 25.7
  Top Layer w0.254: U4.25 89.32,82.209 90.23,83.119 90.485,83.119 v2(90.551,83.185)
  Bottom Layer w0.254: J2.2 95.042,68.88 95.042,78.948 90.871,83.119 90.617,83.119 v2(90.551,83.185)
LCD_RES: J2.3 U4.22 | length 23.3
  Top Layer w0.254: U4.22 93.945,78.959 94.361,79.375 v2(94.361,80.518)
  Bottom Layer w0.254: J2.3 95.758,67.056 95.758,79.121 v2(94.361,80.518)
LCD_SCL: J2.5 U4.26 | length 28.7
  Top Layer w0.254: U4.26 88.82,83.318 90.297,84.795 v2(90.297,84.836)
  Bottom Layer w0.254: v2(90.297,84.836) 91.694,84.836 97.155,79.375 97.155,64.663 97.663,64.155 J2.5
LCD_SI: J2.6 U4.28 | length 32.7
  Top Layer w0.254: U4.28 87.82,84.645 v2(88.519,85.344)
  Bottom Layer w0.254: v2(88.519,85.344) 88.565,85.39 92.283,85.39 98.019,79.654 98.019,66.065 J2.6
MCLK: U5.5 Y1.3 | length 4.3
  Top Layer w0.254: Y1.3@112.903,79.959 113.041,79.959 113.731,79.269 113.731,78.913 115.197,77.447 115.197,77.086 115.218,77.065 U5.5
NetC18_1: C18.1 U5.1 | length 2.1
  Top Layer w0.254: C18.1 115.222,73.155 115.57,73.503 115.57,75.056 U5.1
NetD1_2: D1.2 J5.5 | length 4.6
  Top Layer w0.5: D1.2@127.261,96.774 127.292,96.805 131.795,96.805 J5.5
NetD2_2: D2.2 R7.2 | length 1.6
  Top Layer w0.5: R7.2 D2.2
NetD3_1: D3.1 J5.4 | length 4.6
  Top Layer w0.5: D3.1@127.261,91.948 127.317,91.892 131.77,91.892 J5.4
NetD4_2: D4.2 R8.1 | length 1.7
  Top Layer w0.5: R8.1 129.086,69.703 130.681,69.703 D4.2
NetD5_1: D5.1 J5.3 | length 4.6
  Top Layer w0.5: D5.1@127.254,86.868 127.27,86.852 131.81,86.852 J5.3
NetD6_2: D6.2 R9.1 | length 1.6
  Top Layer w0.5: R9.1@129.232,67.437 129.232,67.441 129.264,67.473 130.651,67.473 D6.2
NetD7_1: D7.1 J5.2 | length 4.7
  Top Layer w0.5: D7.1@127.134,81.788 127.158,81.812 131.802,81.812 J5.2
NetD8_2: D8.2 R10.1 | length 1.8
  Top Layer w0.5: R10.1 D8.2
NetD9_2: D9.2 R3.1 | length 1.9
  Top Layer w0.254: R3.1 D9.2
NetR1_1: R1.1 U4.44 | length 3.2
  Top Layer w0.254: R1.1@79.502,77.597 R1.1 80.26,77.597 81.39,76.468 82.236,76.468 U4.44
SCLK: U4.15 U5.7 | length 29.3
  Top Layer w0.254: U4.15 93.747,75.459 101.473,83.185 108.585,83.185 109.855,81.915 109.855,76.962 110.243,76.574 111.37,76.574 U5.7
SDATA: U4.17 U5.6 | length 29.5
  Top Layer w0.254: U4.17 93.731,76.459 101.219,83.947 108.839,83.947 110.363,82.423 110.363,77.237 110.535,77.065 U5.6
SEL: IC1.11 R5.1 | length 4.3
  Top Layer w0.254: IC1.11 110.605,95.193 111.305,95.193 112.522,93.976 R5.1
STL_NRST: C6.2 J1.4 R2.2 SW5.3 U4.7 | length 61.1
  Top Layer w0.254: J1.4 72.136,75.438 80.264,67.31 ; SW5.3 66.878,63.703 70.485,67.31 80.264,67.31 ; U4.7@86.829,72.896 86.829,73.748 87.122,74.041 89.662,74.041 90.932,72.771 C6.2 91.024,71.247 R2.2@92.456,71.247 ; R2.2 92.538,71.11 92.974,71.11 93.599,70.485 93.599,68.834 92.075,67.31 80.264,67.31
STL_SWCLOCK: J1.2 U4.37 | length 18.1
  Top Layer w0.254: J1.2 81.011,80.518 81.57,79.959 U4.37
STL_SWDIO: J1.3 U4.34 | length 23.2
  Top Layer w0.254: v2(73.279,81.788) 74.079,82.588 84.477,82.588 84.699,82.366 84.699,82.363 84.699,82.343 84.82,82.221 U4.34
  Bottom Layer w0.254: J1.3 69.469,77.978 v2(73.279,81.788)
SW1: SW1.2 U4.29 | length 43.8
  Top Layer w0.254: SW1.2 71.827,55.271 72.67,55.271 v2(73.406,56.007) ; v2(86.487,85.344) 87.32,84.511 U4.29
  Bottom Layer w0.254: v2(73.406,56.007) 77.978,60.579 77.978,80.645 83.312,85.979 85.758,85.979 86.393,85.344 v2(86.487,85.344)
SW2: SW2.2 U4.30 | length 50.1
  Top Layer w0.254: SW2.2 71.921,46.974 72.755,46.974 v2(73.66,47.879) ; v2(85.678,84.963) 85.678,84.883 86.82,83.741 U4.30
  Bottom Layer w0.254: v2(73.66,47.879) 79.629,53.848 79.629,81.407 83.612,85.39 85.204,85.39 85.631,84.963 v2(85.678,84.963)
SW3: SW3.2 U4.31 | length 35.5
  Top Layer w0.254: SW3.2 82.268,55.076 83.119,55.926 83.119,56.195 v2(83.185,56.261) ; v2(84.709,84.709) 84.775,84.643 85.029,84.643 86.32,83.352 U4.31
  Bottom Layer w0.254: v2(83.185,56.261) 83.185,84.146 83.748,84.709 v2(84.709,84.709)
SW4: SW4.2 U4.32 | length 42.5
  Top Layer w0.254: SW4.2 83.199,46.75 v2(83.947,47.498) ; v2(83.947,83.947) 84.963,83.947 85.82,83.09 U4.32
  Bottom Layer w0.254: v2(83.947,47.498) v2(83.947,83.947)
VBUS_G: IC1.1 Q1.1 | length 10.1
  Top Layer w0.254: IC1.1 105.929,98.541 107.968,96.502 107.968,91.824 108.748,91.044 Q1.1
VBUS_IN: C7.1 IC1.2 J4.A9 J4.B9 Q1.3 R5.2 | length 27
  Top Layer w0.5: C7.1 102.128,97.884 102.128,98.699 103.124,99.695 105.029,99.695 105.665,100.331 105.665,101.107 J4.A9 105.925,101.367 105.925,101.98 106.434,102.489 108.204,102.489 108.705,101.988 108.705,101.367 J4.B9 J4.B9@108.965,101.367 ; C7.1@102.135,97.891 IC1.2 105.441,97.891 107,96.332 Q1.3 107.152,91.694 107.156,91.69 107.156,91.472 108.331,90.297 R5.2@112.179,90.297
VOUT_A: U5.10 U6.3 | length 4.3
  Top Layer w0.254: U6.3@107.569,75.521 108.414,74.676 110.109,74.676 110.475,75.042 110.494,75.042 110.517,75.065 U5.10
WAVEFORM: J3.2 PT1.1 PT1.2 U6.1 | length 60
  Top Layer w0.5: v1(110.236,70.612) 107.569,70.612 108.585,69.596 108.585,62.103 114.258,56.43 PT1.1@114.258,47.117 ; PT1.1@114.3,47.117 PT1.2@116.8,47.117
  Bottom Layer w0.5: v1(110.236,70.612) 110.236,67.909 119.852,58.293 130.774,58.293 J3.2
pads on no net: ENC1.SH1 ENC1.SH2 IC1.3 IC1.4 IC1.6 IC1.7 IC1.8 IC1.9 IC1.10 IC1.14 IC1.15 J2.8 J4.1 J4.2 J4.3 J4.4 PT1.S1 PT1.S2 SW1.1 SW1.3 SW2.1 SW2.3 SW3.1 SW3.3 SW4.1 SW4.3 SW5.2 SW5.4 U1.4 U2.4 U3.1 U3.6 U3.7 U4.2 U4.3 U4.4 U4.5 U4.6 U4.10 U4.11 U4.12 U4.13 U4.16 U4.21 U4.33 U4.35 U4.36 U4.38 U4.39 U4.40 U4.41 U4.42 U4.43 U4.45 U4.46 U6.5 U6.6 U6.7 Y1.1

## Polygon pours and split planes (outlines as drawn)
GND on Top Layer "GND_L01_P037" (solid, pour order 37): 63.025,46.494 63.107,46.494 65.595,44 135.116,44 137.598,46.482 137.598,104.787 137.529,104.787 135.171,107.145 65.21,107.145 63.025,104.96
+5V on Top Layer "+5V_L01_P001" (solid, pour order 1): 93.599,96.294 92.556,96.294 92.556,104.267 98.806,104.267 98.806,87.63 95.758,87.63 95.758,88.392 97.663,88.392 97.663,89.535 93.599,89.535 93.599,90.805
+12V on Top Layer "+15V_L01_P039" (solid, pour order 39): 87.122,93.472 81.915,93.472 81.915,95.123 83.947,97.155 87.122,97.155 87.122,96.901
-12V on Top Layer "-15V_L01_P030" (solid, pour order 30): 122.174,96.266 121.031,97.409 117.729,97.409 117.729,105.156 121.793,105.156 125.73,101.219 125.73,98.171 125.73,96.266
+5V on Top Layer "+5V_L01_P033" (solid, pour order 33): 124.206,86.233 124.841,85.598 126.365,85.598 126.365,86.297 126.375,86.307 126.375,90.387 124.877,90.387 124.206,89.716
+3V3 on Top Layer "+3V3_L01_P009" (solid, pour order 9): 123.952,87.884 123.952,86.106 125.222,84.836 125.222,80.391 122.428,80.391 122.428,83.947 121.158,85.217 106.299,85.217 102.362,89.154 99.06,89.154 99.06,93.091 103.505,93.091 108.712,87.884
+12V on Top Layer "+15V_L01_P032" (solid, pour order 32): 122.174,88.265 123.952,88.265 123.952,90.043 125.17,91.261 125.17,92.583 122.174,92.583 120.904,91.44 113.919,91.44 113.919,88.265
GND on Top Layer "GND_L01_P026" (solid, pour order 26): 79.121,98.806 80.264,98.806 80.264,105.537 79.121,105.537
-12V on Top Layer "-15V_L01_P021" (solid, pour order 21): 77.944,94.996 78.994,94.996 78.994,85.217 74.295,85.217 74.295,89.408 77.944,93.057
GND on Top Layer "GND_L01_P010" (solid, pour order 10): 86.784,89.365 84.709,91.44 80.518,91.44 80.518,86.233 103.124,86.233 103.124,87.436 95.504,87.436 95.504,88.646 97.536,88.646 97.536,89.365
CAP+ on Top Layer "CAP+_L01_P011" (solid, pour order 11): 80.5,105.517 84.31,105.517 84.31,103.231 81.516,100.437 81.516,98.786 80.5,98.786
CAP- on Top Layer "CAP-_L01_P012" (solid, pour order 12): 76.136,105.537 77.512,105.537 78.93,105.537 78.93,98.806 77.787,98.806 77.915,98.933 77.915,100.457 76.136,102.235
+3V3 on Mid Layer 2 "+3V3_L03_P023" (solid, pour order 23): 130.81,44.028 130.81,47.752 133.477,50.419 137.646,50.419 137.646,66.421 124.079,66.421 121.793,64.135 96.012,64.135 96.012,79.883 93.726,82.169 72.517,82.169 72.517,90.043 103.505,90.043 103.505,93.091 62.992,93.091 62.992,50.038 66.929,50.038 69.723,47.244 69.723,44.028
+5V on Mid Layer 2 "+5V_L03_P025" (solid, pour order 25): 67.691,101.473 67.691,100.203 117.983,100.203 117.983,67.437 137.668,67.437 137.668,100.838 134.239,100.838 131.191,103.886 131.191,107.188 69.215,107.188 69.215,102.997
+12V on Mid Layer 2 "+15V_L03_P024" (solid, pour order 24): 116.713,65.151 116.713,73.025 116.713,99.187 62.992,99.187 62.992,93.98 104.267,93.98 104.267,89.535 110.363,83.439 110.363,74.168 97.155,74.168 97.155,65.151
-12V on Mid Layer 2 "-15V_L03_P020" (solid, pour order 20): 97.155,80.36 93.822,83.652 73.66,83.652 73.66,89.027 103.251,89.027 109.22,83.058 109.22,75.311 97.155,75.311
GND on Bottom Layer "GND_L04_P036" (solid, pour order 36): 135.128,44.005 137.593,46.469 137.598,46.469 137.598,104.718 135.171,107.145 65.38,107.145 63.04,104.805 63.04,46.561 65.596,44.005
-12V on Bottom Layer "-15V_L04_P035" (solid, pour order 35): 74.295,89.408 90.043,105.156 121.793,105.156 126.365,100.584 126.365,86.741 83.058,86.741 79.121,82.804 74.295,82.804
GND on Mid Layer 1 "GND_L02_P019" (solid, remove dead copper, pour order 19): 135.237,107.148 137.65,104.775 137.65,46.469 137.604,46.469 135.128,43.994 65.335,43.994 63.049,46.279 63.049,104.814 65.371,107.136 65.371,107.148

## Silkscreen, mask and mechanical layers (free items; w line width, h text height)
Top Overlay:
  lines w0.15: 63.119,85.979 68.453,85.979 68.453,87.757 63.119,87.757 63.119,85.979 ; 71.247,43.561 71.247,45.339 77.47,45.339 77.47,43.561 71.247,43.561 ; 72.136,51.816 72.136,53.594 75.946,53.594 75.946,51.816 72.136,51.816 ; 80.518,43.561 88.773,43.561 88.773,45.339 80.518,45.339 80.518,43.561 ; 80.899,51.816 88.265,51.816 88.265,53.594 80.899,53.594 80.899,51.816 ; 92.456,43.561 107.188,43.561 107.188,45.339 92.456,45.339 92.456,43.561 ; 113.284,43.434 120.396,43.434 120.396,45.212 113.284,45.212 113.284,43.434 ; 129.54,60.452 129.54,62.23 134.366,62.23 134.366,60.452 129.54,60.452 ; 129.794,99.949 129.794,101.727 134.239,101.727 134.239,99.949 129.794,99.949 ; 136.398,50.419 138.176,50.419 138.176,54.102 136.398,54.102 136.398,50.419 ; 136.398,55.118 136.398,59.563 138.176,59.563 138.176,55.118 136.398,55.118 ; 136.398,74.803 136.398,78.486 138.176,78.486 138.176,74.803 136.398,74.803 ; 136.398,79.883 136.398,83.566 138.176,83.566 138.176,79.883 136.398,79.883 ; 136.398,84.836 136.398,88.519 138.176,88.519 138.176,84.836 136.398,84.836 ; 136.398,90.297 136.398,93.98 138.176,93.98 138.176,90.297 136.398,90.297 ; 136.398,94.996 136.398,98.679 138.176,98.679 138.176,94.996 136.398,94.996
  text "Digital" at 130.175,100.362 h1.52
  text "-12V" at 137.795,95.377 h1.52 r90
  text "+12V" at 137.795,90.551 h1.52 r90
  text "STLINK" at 63.373,86.377 h1.52
  text "+5V" at 137.778,85.471 h1.52 r90
  text "+3V3" at 66.167,82.694 h1.52
  text "SWCLOCK" at 66.167,80.141 h1.52
  text "+3V3" at 137.778,80.137 h1.52 r90
  text "SWDIO" at 66.294,77.597 h1.52
  text "GND" at 137.778,75.311 h1.52 r90
  text "NRST" at 66.294,75.057 h1.52
  text "GND" at 66.294,72.39 h1.52
  text "-12V" at 135.128,71.501 h1.52
  text "+12V" at 134.874,69.215 h1.52
  text "+5V" at 135.636,67.2 h1.52
  text "+3V3" at 134.874,64.914 h1.52
  text "+3V3" at 86.36,61.479 h1
  text "CS1B" at 89.027,61.479 h1
  text "RES" at 91.821,61.479 h1
  text "A0" at 94.488,61.479 h1
  text "SCL" at 96.901,61.479 h1
  text "SI" at 99.822,61.479 h1
  text "GND" at 101.727,61.479 h1
  text "NC" at 104.648,61.479 h1
  text "Analog" at 129.794,60.865 h1.52
  text "NRST" at 63.373,59.453 h1.52
  text "WAVE" at 137.795,55.372 h1.52 r90
  text "SINE" at 72.517,52.214 h1.52
  text "TRIANGLE" at 81.153,52.214 h1.52
  text "GND" at 137.778,50.927 h1.52 r90
  text "SQUARE" at 71.501,44.018 h1.52
  text "SAWTOOTH" at 80.772,43.959 h1.52
  text "FREQUENCY | PHASE" at 92.837,43.976 h1.52
  text "VOLTAGE" at 113.666,43.832 h1.52
Mechanical 1:
  the board outline again, w0.254